# KiCad board fjol.kicad_pcb (continued)
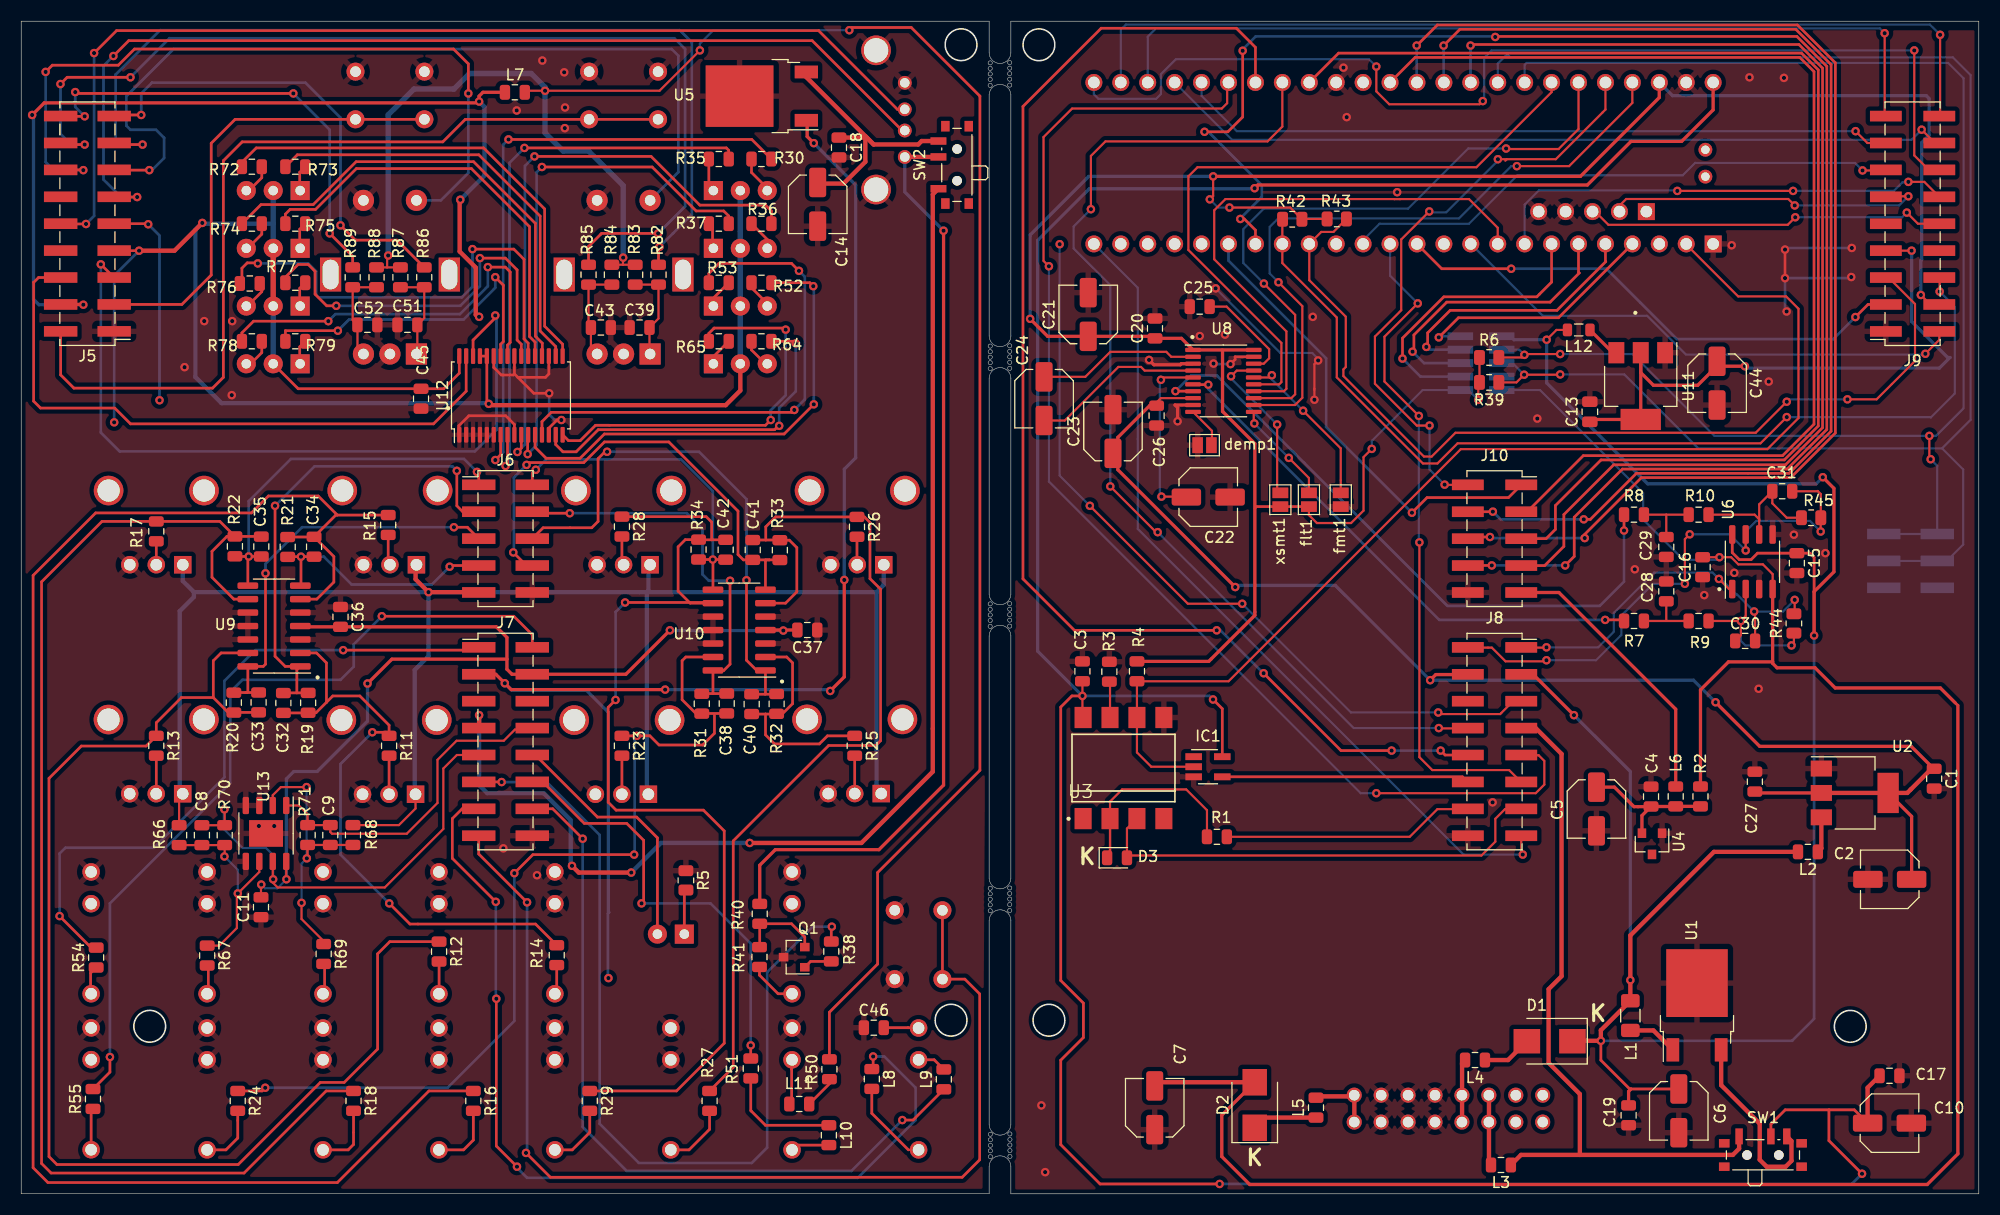
[diagram p0: board, top side]
## Routing (per net, layer and track width the routed paths; a pad name or vN(x,y) marks a point on that pad's centre or on a via; arc(x,y) is an arc through that point) (continued)
LRCLK: length 64.2
  Top w0.203: U7.42 144.37,103.98 137.29,96.89 110.97,96.89 110.11,96.03 110.11,89.08 118.88,80.31 118.88,76.61 118.67,76.4 U8.15
MCLK: length 63.3
  Top w0.203: U8.12 120.17,74.45 120.86,75.13 120.86,83.78 v1(118.61,86.03) ; v1(141.1,96.99) 146.02,96.99 151.99,102.96 U7.45
  Bottom w0.203: v1(118.61,86.03) 117.78,86.86 117.78,91.25 118.59,92.06 135.64,92.06 140.57,96.99 v1(141.1,96.99)
MIDI-IN-L-F: length 88.2
  Top w0.25: v1(80.37,12.96) 80.37,11.9 L8.1 ; v1(44.77,27.56) 40.67,31.66 40.67,35.41 41.6,36.34 J7.13 ; v1(44.82,18.41) 44.82,4.51 v1(46.77,2.56)
  Bottom w0.25: v1(80.37,12.96) 81.42,12.96 84.37,10.01 84.37,6.96 78.92,1.51 47.72,1.51 46.72,2.51 v1(46.77,2.56) ; v1(44.77,27.56) 44.77,18.46 v1(44.82,18.41)
MIDI-IN-R-F: length 72.1
  Top w0.25: L9.1 84.13,6.96 v1(83.12,6.96) ; v1(52.97,33.51) 50.15,36.34 J7.14
  Bottom w0.25: v1(52.97,33.51) 52.97,6.31 57.12,2.16 78.32,2.16 v1(83.12,6.96)
MIDI-RX: length 108.8
  Top w0.203: IC1.2 106.61,40.31 105.26,41.66 U3.6 R4.1 113.9,48.38 135.81,70.28 164.73,70.28 167.67,73.22 167.67,83.53 166.5,84.7 161.98,84.7 157.07,89.6 U7.2
MIDI-RX4: length 23.8
  Top w0.203: R1.2 130.99,33.69 133.6,36.31 136.47,36.31
MIDI-RX5: length 44.5
  Top w0.203: 141.51,36.31 139.98,36.31 139.06,35.4 139.06,33.24 137.76,31.93 104.53,31.93 D3.2 104.32,34.47 U3.3
MIDI-THRU: length 23.4
  Top w0.25: IC1.4 135.96,39.36 136.47,38.85
MIDI-THRU-L-F: length 41.5
  Top w0.25: J7.12 49.21,38.88 53.12,34.96 57.12,34.96 58.72,33.36 58.72,27.61 v1(58.52,27.41) ; v1(68.82,14.01) 68.82,12.77 R51.2
  Bottom w0.25: v1(68.82,14.01) 68.82,23.62 65.03,27.41 v1(58.52,27.41)
midi_sw: length 79.5
  Top w0.203: 141.51,33.77 141.51,32.16 v1(141.66,32.02)
  Bottom w0.203: U7.24 105.33,85.51 105.33,62.75 136.07,32.02 v1(141.66,32.02)
midi_sw-F: length 102.5
  Top w0.25: sw-midi1.2 sw-midi1.1 89.02,20.26 90.42,18.86 90.42,3.21 88.77,1.56 49.92,1.56 v1(47.62,3.86) ; J7.15 43.16,32.07 v1(47.72,27.51)
  Bottom w0.25: v1(47.72,27.51) 47.72,3.96 v1(47.62,3.86)
PM1: length 157.7
  Top w0.25: v1(111.63,100.23) 113.83,100.23 115.23,101.63 v1(115.23,107.88) ; v1(115.01,92.01) 115.38,92.01 116.43,90.96 U7.18 ; v1(138.73,59.31) 136.49,59.31 J10.8 ; v1(145.66,59.31) 146.51,60.16 146.51,63.86 151.05,68.4 166.6,68.4 170.34,72.14 170.34,106.41 167.51,109.23 139.11,109.23 v1(139.06,109.18)
  Bottom w0.25: v1(139.06,109.18) 139.01,109.23 116.46,109.23 115.23,108.01 v1(115.23,107.88) ; v1(115.01,92.01) 114.98,92.03 117.03,94.08 117.03,95.19 111.99,100.23 v1(111.63,100.23) ; v1(145.66,59.31) v1(138.73,59.31)
PM1_F: length 46.1
  Top w0.25: 70.58,59.83 71.55,59.83 R33.1 ; 70.58,59.83 C41.1 68.13,59.83 67.62,60.34 67.62,64.44 61.1,70.96 55.02,70.96 53.07,69.01 47.89,69.01 v1(47.68,68.8) ; 70.58,59.83 70.22,59.83 70.17,59.79 70.21,59.75 U10.7 ; J6.8 47.66,59.3 v1(46.42,60.54)
  Bottom w0.25: v1(47.68,68.8) 46.47,67.59 46.47,60.59 v1(46.42,60.54)
PM2: length 107.2
  Top w0.25: 136.93,108.47 136.88,108.42 ; 136.93,108.47 136.83,108.47 v1(136.73,108.37) ; 136.93,108.47 167.71,108.47 169.94,106.24 169.94,72.31 166.43,68.8 150.23,68.8 145.53,64.11 145.53,61.11 143.72,59.29 J10.7
  Bottom w0.25: U7.39 136.73,104.92 v1(136.73,108.37)
PM2_F: length 23.9
  Top w0.25: v1(40.42,59.19) 40.53,59.3 J6.7 ; U9.7 26.39,57.46 v1(26.39,60.13) ; v1(26.39,60.13) 25.16,60.13 R21.1 ; v1(26.39,60.13) C34.1
  Bottom w0.25: v1(40.42,59.19) 38.75,57.51 31.17,57.51 28.55,60.13 v1(26.39,60.13)
RATIO1: length 57.1
  Top w0.203: v1(132.83,92.72) 130.19,90.07 130.19,83.39 127.71,80.91 127.71,76.46 131.66,72.51 v1(132.86,72.51) ; v1(134.28,66.93) 134.3,66.91 J10.2 ; 140.15,97.64 144.77,97.64 149.45,102.33 U7.44 ; 140.15,97.64 140.01,97.51 ; 140.15,97.64 v1(139.31,97.64)
  Bottom w0.203: v1(139.31,97.64) 139.31,97.51 134.43,92.63 132.83,92.63 v1(132.83,92.72) ; v1(134.28,66.93) 132.86,68.36 v1(132.86,72.51)
RATIO1_F: length 32
  Top w0.25: v1(65.24,59.86) 65.26,59.85 65.26,59.72 ; v1(65.24,59.86) 66.44,59.86 C42.1 ; v1(65.24,59.86) 65.12,59.86 ; J6.2 48.21,68 v1(48.55,68.34) ; U10.8 65.26,59.72 ; 65.26,59.72 65.12,59.86 ; 65.12,59.86 R34.1
  Bottom w0.25: v1(48.55,68.34) 49.52,69.31 62.25,69.31 65.24,66.31 v1(65.24,59.86)
RATIO2: length 43.9
  Top w0.25: J10.1 140.31,65.71 132.62,65.71 v1(131.2,64.28)
  Bottom w0.25: v1(131.2,64.28) 123.11,72.37 123.11,78.85 113.89,88.07 U7.19
RATIO2_F: length 35.5
  Top w0.25: v1(21.46,60.15) 20.18,60.15 R22.1 ; v1(21.46,60.15) C35.1 ; v1(21.46,60.15) 21.38,60.07 U9.8 ; v1(43,68.14) 43.16,67.97 J6.1
  Bottom w0.25: v1(43,68.14) 41.77,69.36 25.45,69.36 21.46,65.38 v1(21.46,60.15)
RELEASE: length 114.7
  Top w0.25: v1(134.19,108.37) 135.73,109.91 167.41,109.91 170.74,106.58 170.74,71.97 166.77,68 152.38,68 148.03,63.66 v1(147.41,63.66) ; v1(138.83,64.38) 138.82,64.37 136.47,64.37
  Bottom w0.25: v1(147.41,63.66) 139.56,63.66 v1(138.83,64.38) ; U7.38 134.19,104.92 v1(134.19,108.37)
RELEASE_F: length 38.2
  Top w0.25: 65.3,47.21 64.22,47.21 R31.1 ; 65.3,47.21 65.26,47.25 U10.14 66.28,49.39 66.87,49.99 v1(66.87,57.86) ; 65.3,47.21 C38.1 ; v1(51.75,64.24) 48.35,64.24 J6.4
  Bottom w0.25: v1(51.75,64.24) 62.8,64.24 64.27,62.76 64.27,58.46 64.87,57.86 v1(66.87,57.86)
RIGHT-OUT: length 53.5
  Top w0.203: 136.47,51.55 138.74,51.55 140.03,50.25 143.79,50.25 v1(143.89,50.36) ; C31.1 169.46,66.31 169.48,66.33 169.77,66.04 R45.2 169.76,63.79 v1(169.76,62.51) ; v1(157.4,62.24) 156.95,61.79 v1(156.95,57.57) ; v1(162.69,60.72) U6.7
  Bottom w0.203: v1(157.4,62.24) 161.16,62.24 v1(162.69,60.72) 162.69,62.51 163.68,63.51 168.76,63.51 v1(169.76,62.51) ; v1(143.89,50.36) 148.56,50.36 150.95,52.74 150.95,54.57 153.95,57.57 v1(156.95,57.57)
RIGHT-OUT-F: length 77.4
  Top w0.25: J7.2 48.21,52.77 46.47,54.51 v1(34.02,54.51) ; v1(8.37,12.91) 8.37,11.49 R55.2
  Bottom w0.25: v1(34.02,54.51) 31.37,51.86 31.37,49.76 30.12,48.51 20.87,48.51 19.72,47.36 19.72,38.76 8.37,27.41 v1(8.37,12.91)
SCL: length 88.4
  Top w0.203: J9.5 176.16,86.48 178.66,83.98 178.66,78.61 175.03,74.98 v1(172.28,74.98) ; v1(166.56,74.76) 163.63,71.83 135.3,71.83 133.06,69.58 132.33,69.58 124.73,77.18 124.73,77.81 124.96,78.03 124.96,82.78 121.51,86.23 U7.16 122.65,90.78 123.8,90.78 R43.1
  Bottom w0.203: v1(166.56,74.76) 166.78,74.98 v1(172.28,74.98)
SCL-EXP: length 140.1
  Top w0.203: v1(180.01,71.53) 180.01,69.46 v1(180.13,69.33) ; v1(145.18,79.26) 141.88,79.26 v1(141.81,79.18) 141.56,78.93 R6.2
  Bottom w0.203: J3.5 J3.6 180.76,68.71 v1(180.13,69.33) ; v1(141.81,79.18) 141.32,79.67 J2.3 ; U7.41 141.83,106.55 142.01,106.73 181.78,106.73 183.23,105.28 183.23,74.13 180.63,71.53 v1(180.01,71.53) 159.73,71.53 152.01,79.26 v1(145.18,79.26)
SCL_F: length 72.1
  Top w0.254: v1(7.51,87.72) 8.76,86.48 J5.5 ; v1(44.72,82.9) 44.72,82.67 42.63,80.58 U12.30
  Bottom w0.254: v1(7.51,87.72) 7.51,71.85 9.29,70.07 42.8,70.07 44.83,72.11 44.83,82.79 v1(44.72,82.9)
SCLK: length 61.7
  Top w0.203: U8.13 119.82,75.1 120.18,75.46 120.18,82.96 v1(117.23,85.91) ; v1(140.08,98.66) 140.13,98.61 145.03,98.61 146.91,100.49 U7.43
  Bottom w0.203: v1(140.08,98.66) 136.51,98.66 130.83,92.98 117.22,92.98 115.29,91.05 115.29,87.85 v1(117.23,85.91)
SDA: length 93.1
  Top w0.203: v1(180.98,85.16) 180.98,86.44 J9.6 ; v1(166.56,73.31) 164.08,70.83 135.51,70.83 133.61,68.93 132.23,68.93 124.11,77.06 124.11,82.71 118.97,87.84 U7.17 118.97,91.93 119.05,92.01
  Bottom w0.203: v1(166.56,73.31) 180.13,73.31 180.16,73.28 182.41,75.53 182.41,83.73 v1(180.98,85.16)
SDA-EXP: length 149.6
  Top w0.203: R39.1 141.06,76.58 v1(141.78,77.31) 145.16,77.31 v1(145.18,77.33)
  Bottom w0.203: U7.40 139.29,106.67 140.18,107.56 140.48,107.26 182.23,107.26 183.91,105.58 183.91,73.06 181.21,70.36 ; 181.21,70.36 158.21,70.36 151.23,77.33 v1(145.18,77.33) ; 181.21,70.36 183.21,68.36 183.21,61.28 181.66,59.73 J3.4 J3.3 ; v1(141.78,77.31) 140.69,78.4 J2.5
  Bottom w0.25: 139.27,104.92 U7.40
SDA_F: length 60.2
  Top w0.25: U12.31 41.98,75.75 38.89,72.67 10.32,72.67 8.82,74.16 1.82,74.16 1.17,74.81 1.17,86.01 1.64,86.48 J5.6
SDATA: length 52.7
  Top w0.203: U8.14 119.12,75.75 119.35,75.98 119.35,81.4 112.55,88.2 112.55,92.83 113.6,93.88 129.53,93.88 129.54,93.88 130.08,93.88 130.08,93.88 136.59,93.88 139.29,91.17 U7.9
switch1_sw: length 49.9
  Top w0.203: v1(179.63,79.28) 180.95,80.6 J9.2
  Bottom w0.203: v1(179.63,79.28) 179.56,79.21 157.05,79.21 153.39,82.87 143.54,82.87 U7.10
switch1_sw-F: length 83.5
  Top w0.25: 59.92,101.41 53.42,101.41
  Top w0.254: J5.2 3.72,77.29 4.97,76.04 18.05,76.04 19.07,77.06 19.07,97.5 20.85,99.28 39.77,99.28 41.9,101.41 sw-sel1.1
switch2_sw: length 49.3
  Top w0.25: U7.12 134.02,87.31 v1(140.56,87.31) ; v1(173.03,82.75) 174.22,83.94 J9.3
  Bottom w0.25: v1(173.03,82.75) 170.95,80.67 156.19,80.67 149.55,87.31 v1(140.56,87.31)
switch2_sw-F: length 43.8
  Top w0.25: 31.46,101.41 37.96,101.41
  Top w0.254: J5.3 15.16,83.94 17.93,86.71 17.93,99.15 20.18,101.41 sw-sel2.1
Net-(ATTACK1-Pad2): length 3.6
  Top w0.25: R25.2 78.63,37.78 ATTACK1.2
Net-(C4-Pad1): length 13.5
  Top w0.305: C4.1 156.07,36.56 L6.1 R2.2 ; C4.1 153.74,36.54 152.15,36.54 150.3,38.38 C5.1 ; C4.1 152.9,35.7 U4.2
Net-(C8-Pad2): length 20
  Top w0.203: R67.1 18.68,23.42 20.35,25.09 20.35,28.26 v1(20.43,28.35) 22.46,30.38 U13.6 ; R66.1 C8.2 R70.2 19.2,31.86 v1(19.17,31.84)
  Bottom w0.203: v1(19.17,31.84) 20.43,30.57 v1(20.43,28.35)
Net-(C9-Pad2): length 25.9
  Top w0.203: v1(26.45,27.46) 26.45,25.94 28.53,23.85 R69.1 ; U13.2 23.73,37.62 24.5,38.39 v1(26.92,38.39) ; v1(26.95,31.66) 27.02,31.74 R71.2 C9.2 R68.1
  Bottom w0.203: v1(26.45,27.46) 26.45,31.16 v1(26.95,31.66) 26.92,31.69 v1(26.92,38.39)
Net-(C14-Pad1): length 27.1
  Top w0.406: 79.63,99.82 74.07,105.39 U5.3 ; 79.63,99.82 80.42,99.04 ; 79.63,99.82 79.63,97.4 77.58,95.34 75.05,95.34 ; 80.42,99.04 84.62,99.04 84.95,99.36 SW2.3 ; 80.42,99.04 79.77,99.69 C18.1
Net-(C22-Pad1): length 16.6
  Top w0.203: U8.5 107.74,77.05 v1(107.52,76.82) ; v1(107.57,65.8) 109.88,65.8 C22.1
  Bottom w0.203: v1(107.52,76.82) 107.42,76.72 107.42,65.95 v1(107.57,65.8)
Net-(C24-Pad1): length 15.2
  Top w0.203: U8.2 108.49,79 108.03,79.46 102.74,79.46 100.39,77.11 C24.1
Net-(C24-Pad2): length 16.3
  Top w0.203: C24.2 98.45,72.98 103.51,78.04 105.64,78.04 105.98,77.7 U8.4
Net-(C25-Pad1): length 9.8
  Top w0.203: C25.1 113.72,83.73 117.73,79.72 117.73,78.86 117.22,78.35 U8.18
Net-(C28-Pad1): length 6.1
  Top w0.203: C28.1 155.19,54.09 155.17,54.06 ; 155.17,54.06 R9.1 ; 155.17,54.06 R7.2
Net-(C29-Pad1): length 6.3
  Top w0.203: C29.1 155.19,64.1 ; 155.19,64.1 R8.2 ; 155.19,64.1 R10.1
Net-(C30-Pad2): length 16.4
  Top w0.203: v1(162.23,54.06) 162.23,52.72 C30.2 ; v1(162.23,54.06) R9.2 ; v1(162.23,54.06) 162.69,54.52 U6.2 ; v1(167.01,51.76) 167.23,51.98 R44.1
  Bottom w0.203: v1(162.23,54.06) 162.23,52.18 162.66,51.76 v1(167.01,51.76)
Net-(C31-Pad2): length 14.1
  Top w0.203: R10.2 163.53,64.1 163.96,63.67 163.96,63.53 ; 163.96,63.53 163.96,65.07 C31.2 165.2,65.17 166.56,63.81 R45.1 ; 163.96,63.53 U6.6
Net-(C32-Pad2): length 57.8
  Top w0.25: 28.8,46.39 28.8,50.11 27.86,51.05 U9.2 ; 28.8,46.39 27.81,45.4 R19.2 27.05,45.39 C32.2 ; 28.8,46.39 29.4,46.99 31.95,46.99 34.71,44.23 R11.1 34.37,43.56 v1(33.12,43.56) ; v1(34.72,27.41) 36.67,25.46 48.52,25.46 R14.1
  Bottom w0.25: v1(33.12,43.56) 30.12,40.56 30.12,32.01 v1(34.72,27.41)
Net-(C33-Pad2): length 118.1
  Top w0.25: 18.12,46.84 15.12,46.84 12.74,44.46 R13.1 11.78,42.26 5.67,42.26 2.62,39.21 2.62,3.51 3.37,2.76 20.47,2.76 28.22,10.51 30.47,10.51 33.62,13.66 33.62,22.65 34.77,23.8 R12.1 ; 18.12,46.84 18.12,50.31 18.86,51.05 U9.13 ; 18.12,46.84 19.54,45.42 R20.2 20.08,45.44 C33.2
Net-(C34-Pad2): length 153.4
  Top w0.25: 29.82,64.06 28.02,65.86 23.32,65.86 21.72,64.26 7.02,64.26 1.12,58.36 1.12,2.46 2.52,1.06 29.82,1.06 38.47,9.71 R16.1 ; 29.82,64.06 R15.1 ; 29.82,64.06 29.68,64.06 C34.2 ; R21.2 27.61,61.99 C34.2 ; C34.2 29.5,60.14 29.5,57.74 27.89,56.13 U9.6
Net-(C35-Pad2): length 121
  Top w0.25: C35.2 22.63,62.04 R22.2 ; R22.2 18.74,63.46 R17.1 7.62,63.46 1.92,57.76 1.92,2.86 2.82,1.96 21.02,1.96 28.77,9.71 R18.1 ; R22.2 19.41,62.04 18,60.64 18,58.19 20.06,56.13 U9.9
Net-(C38-Pad2): length 88.9
  Top w0.25: C38.2 64.22,45.34 R31.2 63.66,45.32 62.35,46.64 62.35,50.31 62.7,50.66 U10.13 ; 65.4,45.19 65.4,43.46 64.3,42.36 60.17,42.36 59.31,43.22 v1(58.08,43.22) R23.1 ; v1(46.52,30.26) 48.27,32.01 v1(57.82,32.01) ; R24.1 22.72,9.71 v1(23.02,10.01)
  Bottom w0.25: v1(46.52,30.26) 46.52,16.31 40.22,10.01 v1(23.02,10.01) ; v1(58.08,43.22) 57.87,43.01 57.87,32.06 v1(57.82,32.01)
Net-(C39-Pad2): length 9.1
  Top w0.203: SW3.A 59.27,79.32 C39.2 60.12,82.61 R82.1 R83.1
Net-(C40-Pad2): length 22
  Top w0.25: 70.22,45.28 70.22,43.32 71.07,42.46 75.3,42.46 76.06,43.22 R25.1 ; 70.22,45.28 C40.2 ; 70.22,45.28 71.25,45.28 R32.2 71.81,45.3 72.77,46.26 72.77,50.11 72.22,50.66 U10.2
Net-(C41-Pad2): length 87.1
  Top w0.25: R27.1 67.17,11.94 67.17,33.31 76.17,42.31 80.62,42.31 81.07,42.76 81.07,57.06 80.07,58.06 80.07,63.36 79.55,63.89 R26.1 71.17,63.89 70.24,62.96 70.24,61.71 ; U10.6 72.11,55.74 73.17,56.81 73.17,60.99 72.47,61.69 R33.2 71.55,61.71 70.24,61.71 ; 70.24,61.71 C41.2
Net-(C42-Pad2): length 97.5
  Top w0.25: 65.13,61.72 65.13,63.4 64.62,63.91 R28.1 ; 65.13,61.72 63.92,61.72 R34.2 62.65,61.74 61.97,61.06 61.97,56.89 63.11,55.74 U10.9 65.19,55.81 v1(56.97,55.81) ; 65.13,61.72 C42.2 ; v1(56.07,46.61) 55.37,45.91 55.37,36.96 56.12,36.21 64.36,36.21 66.32,34.25 66.32,14.21 61.82,9.71 R29.1
  Bottom w0.25: v1(56.97,55.81) 56.07,54.91 v1(56.07,46.61)
Net-(C43-Pad2): length 9.1
  Top w0.203: SW3.B 54.27,79.26 53.75,79.79 C43.2 53.52,81.99 R85.2 R84.1
Net-(C46-Pad2): length 3.3
  Top w0.254: MIDI-IN1.P$3_SLEEVE 84.63,15.67 83.67,15.67 83.66,15.68 C46.2
Net-(C51-Pad2): length 8.9
  Top w0.203: SW4.A 37.37,79.35 C51.2 38.02,82.66 R86.1 R87.1
Net-(C52-Pad2): length 9
  Top w0.203: R88.1 R89.2 31.27,82.46 C52.2 31.72,79.83 SW4.B
Net-(CTL2-Pad2): length 3.6
  Top w0.25: CTL2.2 12.74,37.77 R13.2
Net-(CV-CTL2-PadP$1_TIP): length 2.8
  Top w0.25: R12.2 39.42,19.11
Net-(CV-CTL3-PadP$1_TIP): length 2.9
  Top w0.25: R69.2 28.63,21.61 28.63,18.88
Net-(CV-CTL4-PadP$1_TIP): length 2.7
  Top w0.25: 17.65,18.88 17.65,21.44 R67.2
Net-(CV-PM1-PadP$1_TIP): length 5.8
  Top w0.254: 61.67,4.15 63,4.15 64.94,6.09 R27.2
Net-(CV-PM2-PadP$1_TIP): length 6.1
  Top w0.254: 39.65,4.15 41.73,4.15 42.65,5.07 R16.2
Net-(CV-RAT1-PadP$1_TIP): length 5.7
  Top w0.254: R29.2 53.64,5.8 51.99,4.15 50.67,4.15
Net-(CV-RAT2-PadP$1_TIP): length 6.1
  Top w0.254: R18.2 31.35,4.65 30.84,4.15 28.63,4.15
Net-(CV-REL1-PadP$1_TIP): length 5.8
  Top w0.254: 17.65,4.15 19.31,4.15 20.43,5.26 R24.2
Net-(D1-Pad2): length 4.7
  Top w0.406: D1.2 140.26,12.62 L4.1
Net-(D2-Pad1): length 6.2
  Top w0.406: L5.1 117.33,7.19 D2.1
Net-(D3-Pad1): length 22
  Top w0.203: R1.1 111.86,36.21 109.91,38.16 103.86,38.16 102.72,37.02 U3.2 ; U3.2 102.72,31.99 D3.1 ; U3.2 102.72,32.37 102.27,31.93
Net-(D4-Pad1): length 4.2
  Top w0.254: D4.1 62.56,28.52 R5.2
Net-(D5-Pad1): length 3.1
  Top w0.25: R35.1 64.87,95.03 65.22,94.69
Net-(D5-Pad3): length 3.5
  Top w0.25: 70.45,94.84 68.9,96.39 R30.1
Net-(D6-Pad1): length 2.5
  Top w0.25: R37.1 64.87,91.31 65.22,90.96 65.22,89.24
Net-(D6-Pad3): length 2.9
  Top w0.25: R36.1 70.38,90.08 D6.3
Net-(D7-Pad1): length 2.8
  Top w0.25: 65.22,83.79 65.22,84.46 R53.1
Net-(D7-Pad3): length 2.7
  Top w0.25: 70.46,83.95 68.9,85.51 R52.1
Net-(D8-Pad1): length 2.8
  Top w0.25: R65.1 65.22,78.93 65.22,78.34
Net-(D8-Pad3): length 2.8
  Top w0.25: R64.1 68.9,79.64 70.32,78.22
Net-(D9-Pad1): length 2.5
  Top w0.25: 26.28,94.69 26.28,96.41 R73.1
Net-(D9-Pad3): length 3.1
  Top w0.25: R72.1 22.7,95.9 21.22,94.43
Net-(D10-Pad1): length 2.5
  Top w0.25: 26.28,89.24 26.28,91.04 R75.1
Net-(D10-Pad3): length 3.2
  Top w0.25: R74.1 22.7,90.57 21.1,88.98
Net-(D11-Pad1): length 2.4
  Top w0.25: 26.28,83.79 26.28,85.46 R77.1
Net-(D11-Pad3): length 3.1
  Top w0.25: 21.08,83.53 22.7,85.14 22.7,85.99
Net-(D12-Pad1): length 2.3
  Top w0.25: R79.1 26.28,79.94 26.28,78.34
Net-(D12-Pad3): length 2.7
  Top w0.25: R78.1 22.7,79.39 21.57,78.27
Net-(GATE-OUT1-PadP$1_TIP): length 4.5
  Top w0.25: 72.67,18.88 71.4,18.88 69.65,20.64 R41.1
Net-(J1-Pad1): length 6.2
  Top w0.406: 125.77,6.66 125.77,9.2 122.28,9.2 L5.2
Net-(J1-Pad10): length 6.1
  Top w0.406: L4.2 135.93,12.34 135.93,6.66
Net-(J1-Pad11): length 6.6
  Top w0.406: 138.47,9.2 138.47,2.91 L3.2
Net-(L1-Pad1): length 4.8
  Top w0.406: U1.1 153.98,15.42 L1.1
Net-(L2-Pad1): length 3.4
  Top w0.406: U2.3 169.82,32.6 L2.1
Net-(L8-Pad2): length 8.1
  Top w0.203: 83.69,4.15 MIDI-IN1.P$1_TIP
  Top w0.254: 83.69,4.15 80.24,7.6 L8.2
Net-(L9-Pad2): length 2.8
  Top w0.254: L9.2 86.13,12.65 MIDI-IN1.P$2_SWITCH
Net-(L10-Pad1): length 11
  Top w0.25: R51.1 68.83,7.85 68.89,7.79
  Top w0.254: L10.1 70.21,6.47 68.89,7.79
Net-(L10-Pad2): length 4.5
  Top w0.203: MIDI-THRU1.P$1_TIP 72.92,4.15 73.36,4.59
  Top w0.254: 72.67,4.15 73.12,4.59 L10.2
Net-(L11-Pad1): length 3.1
  Top w0.25: R50.1 76.24,10.38 L11.1
Net-(L11-Pad2): length 5.2
  Top w0.203: 72.68,11.75 72.68,12.61 MIDI-THRU1.P$2_SWITCH
  Top w0.254: 72.38,8.52 72.68,8.82 72.68,12.63
Net-(L12-Pad1): length 3.4
  Top w0.305: L12.1 150.15,79.38 U11.3
Net-(LEFT-OUT1-PadP$1_TIP): length 2.7
  Top w0.25: 6.55,18.88 6.55,20.84 R54.1
Net-(PM1-Pad2): length 2.6
  Top w0.25: R26.2 78.85,59.4 PM1.2
Net-(PM2-Pad2): length 2.8
  Top w0.25: 34.71,59.37 34.62,59.46 R15.2
Net-(Q1-Pad1): length 2.7
  Top w0.25: R38.1 74.47,21.94 Q1.1
Net-(Q1-Pad2): length 7.9
  Top w0.25: R41.2 69.67,23.31 R40.1 72.67,25.49 73.92,24.24 Q1.2
Net-(R3-Pad2): length 3.4
  Top w0.203: U3.7 102.72,48.28 R3.2
Net-(R11-Pad2): length 3.6
  Top w0.25: R11.2 34.71,37.72 cutoff1.2
Net-(R14-Pad2): length 2.6
  Top w0.25: R14.2 50.52,19.03
Net-(R17-Pad2): length 2.2
  Top w0.25: R17.2 RATIO2.2
Net-(R23-Pad2): length 3.6
  Top w0.25: RELEASE1.2 56.67,37.71 R23.2
Net-(R28-Pad2): length 2.7
  Top w0.25: 56.67,59.37 R28.2
Net-(R55-Pad1): length 3.9
  Top w0.25: R55.1 6.6,7.84 RIGHT-OUT1.P$1_TIP
Net-(SW1-Pad3): length 17.9
  Top w0.406: U1.3 160.37,10.25 164.01,6.62 164.01,3.21 164.67,2.55 166.45,2.55 167,3.11 167,4.98 SW1.3
Net-(U8-Pad10): length 3.9
  Top w0.203: U8.10 112.33,72.01 112.33,70.71 demp1.2
Net-(U8-Pad11): length 9.8
  Top w0.203: v1(116.33,72.71) 116.27,72.77 U8.11 ; flt1.2 121.48,67.56 v1(119.58,69.46)
  Bottom w0.203: v1(119.58,69.46) v1(116.33,72.71)
Net-(U8-Pad16): length 15.6
  Top w0.203: v1(117.98,77.26) 117.77,77.05 U8.16 ; fmt1.2 124.48,70.36 v1(120.93,73.91)
  Bottom w0.203: v1(117.98,77.26) 117.98,76.86 v1(120.93,73.91)
Net-(U8-Pad17): length 15.3
  Top w0.203: v1(118.48,72.61) 118.48,66.46 xsmt1.2 ; v1(114.13,77.16) 114.67,77.7 U8.17
  Bottom w0.203: v1(118.48,72.61) 114.13,76.96 v1(114.13,77.16)
unconnected-(J5-Pad9): length 20.3
  Top w0.25: J5.9 11.93,91.56 v1(11.98,91.51)
  Bottom w0.25: v1(11.98,91.51) 13.05,90.44 v1(13.05,74.9)
unconnected-(J8-Pad5): length 75.2
  Top w0.203: v1(115.19,55.69) 110.06,55.69 v1(100.81,64.94) ; 141.51,46.47 140.71,46.47 139.52,45.28 133.83,45.28 v1(133.68,45.43)
  Bottom w0.203: v1(100.81,64.94) 97.97,67.78 v1(97.97,89.62) ; v1(133.68,45.43) 125.45,45.43 v1(115.19,55.69)
unconnected-(J9-Pad9): length 0.3
  Top w0.203: 175.71,91.35 J9.9
unconnected-(U7-Pad8): length 44.4
  Top w0.203: v1(178.03,95.51) 179.54,95.51 180.95,94.1 180.91,94.1 ; v1(156.24,94.65) v1(167.16,94.65)
  Bottom w0.203: v1(156.24,94.65) 156.18,94.7 143.18,94.7 141.83,93.36 U7.8 ; v1(178.03,95.51) 177.99,95.47 177.47,95.47 176.66,94.65 v1(167.16,94.65)

## Copper pours and planes (outline as drawn; the poured copper is in the pictures)
GND on Top: 0.15,0.47 90.7,0.47 91.33,110.33 0.15,110.33
GND on Bottom: 0.02,0.6 90.85,0.61 91.2,110.33 0.02,110.33
GND1 on Top: 184.78,0.09 93.47,0.09 93.6,109.82 184.78,109.82
GND1 on Bottom: 184.78,0.09 93.47,0.09 93.6,109.82 184.78,109.82

## Text on the board
B.Silkscreen: REG - PSU | scl sda gnd | EXPANDER | FJÖL Hardware / V3 | RED HERE
F.Silkscreen: K
